# Allegro board 6UL_WIFI_V10A.brd (continued)
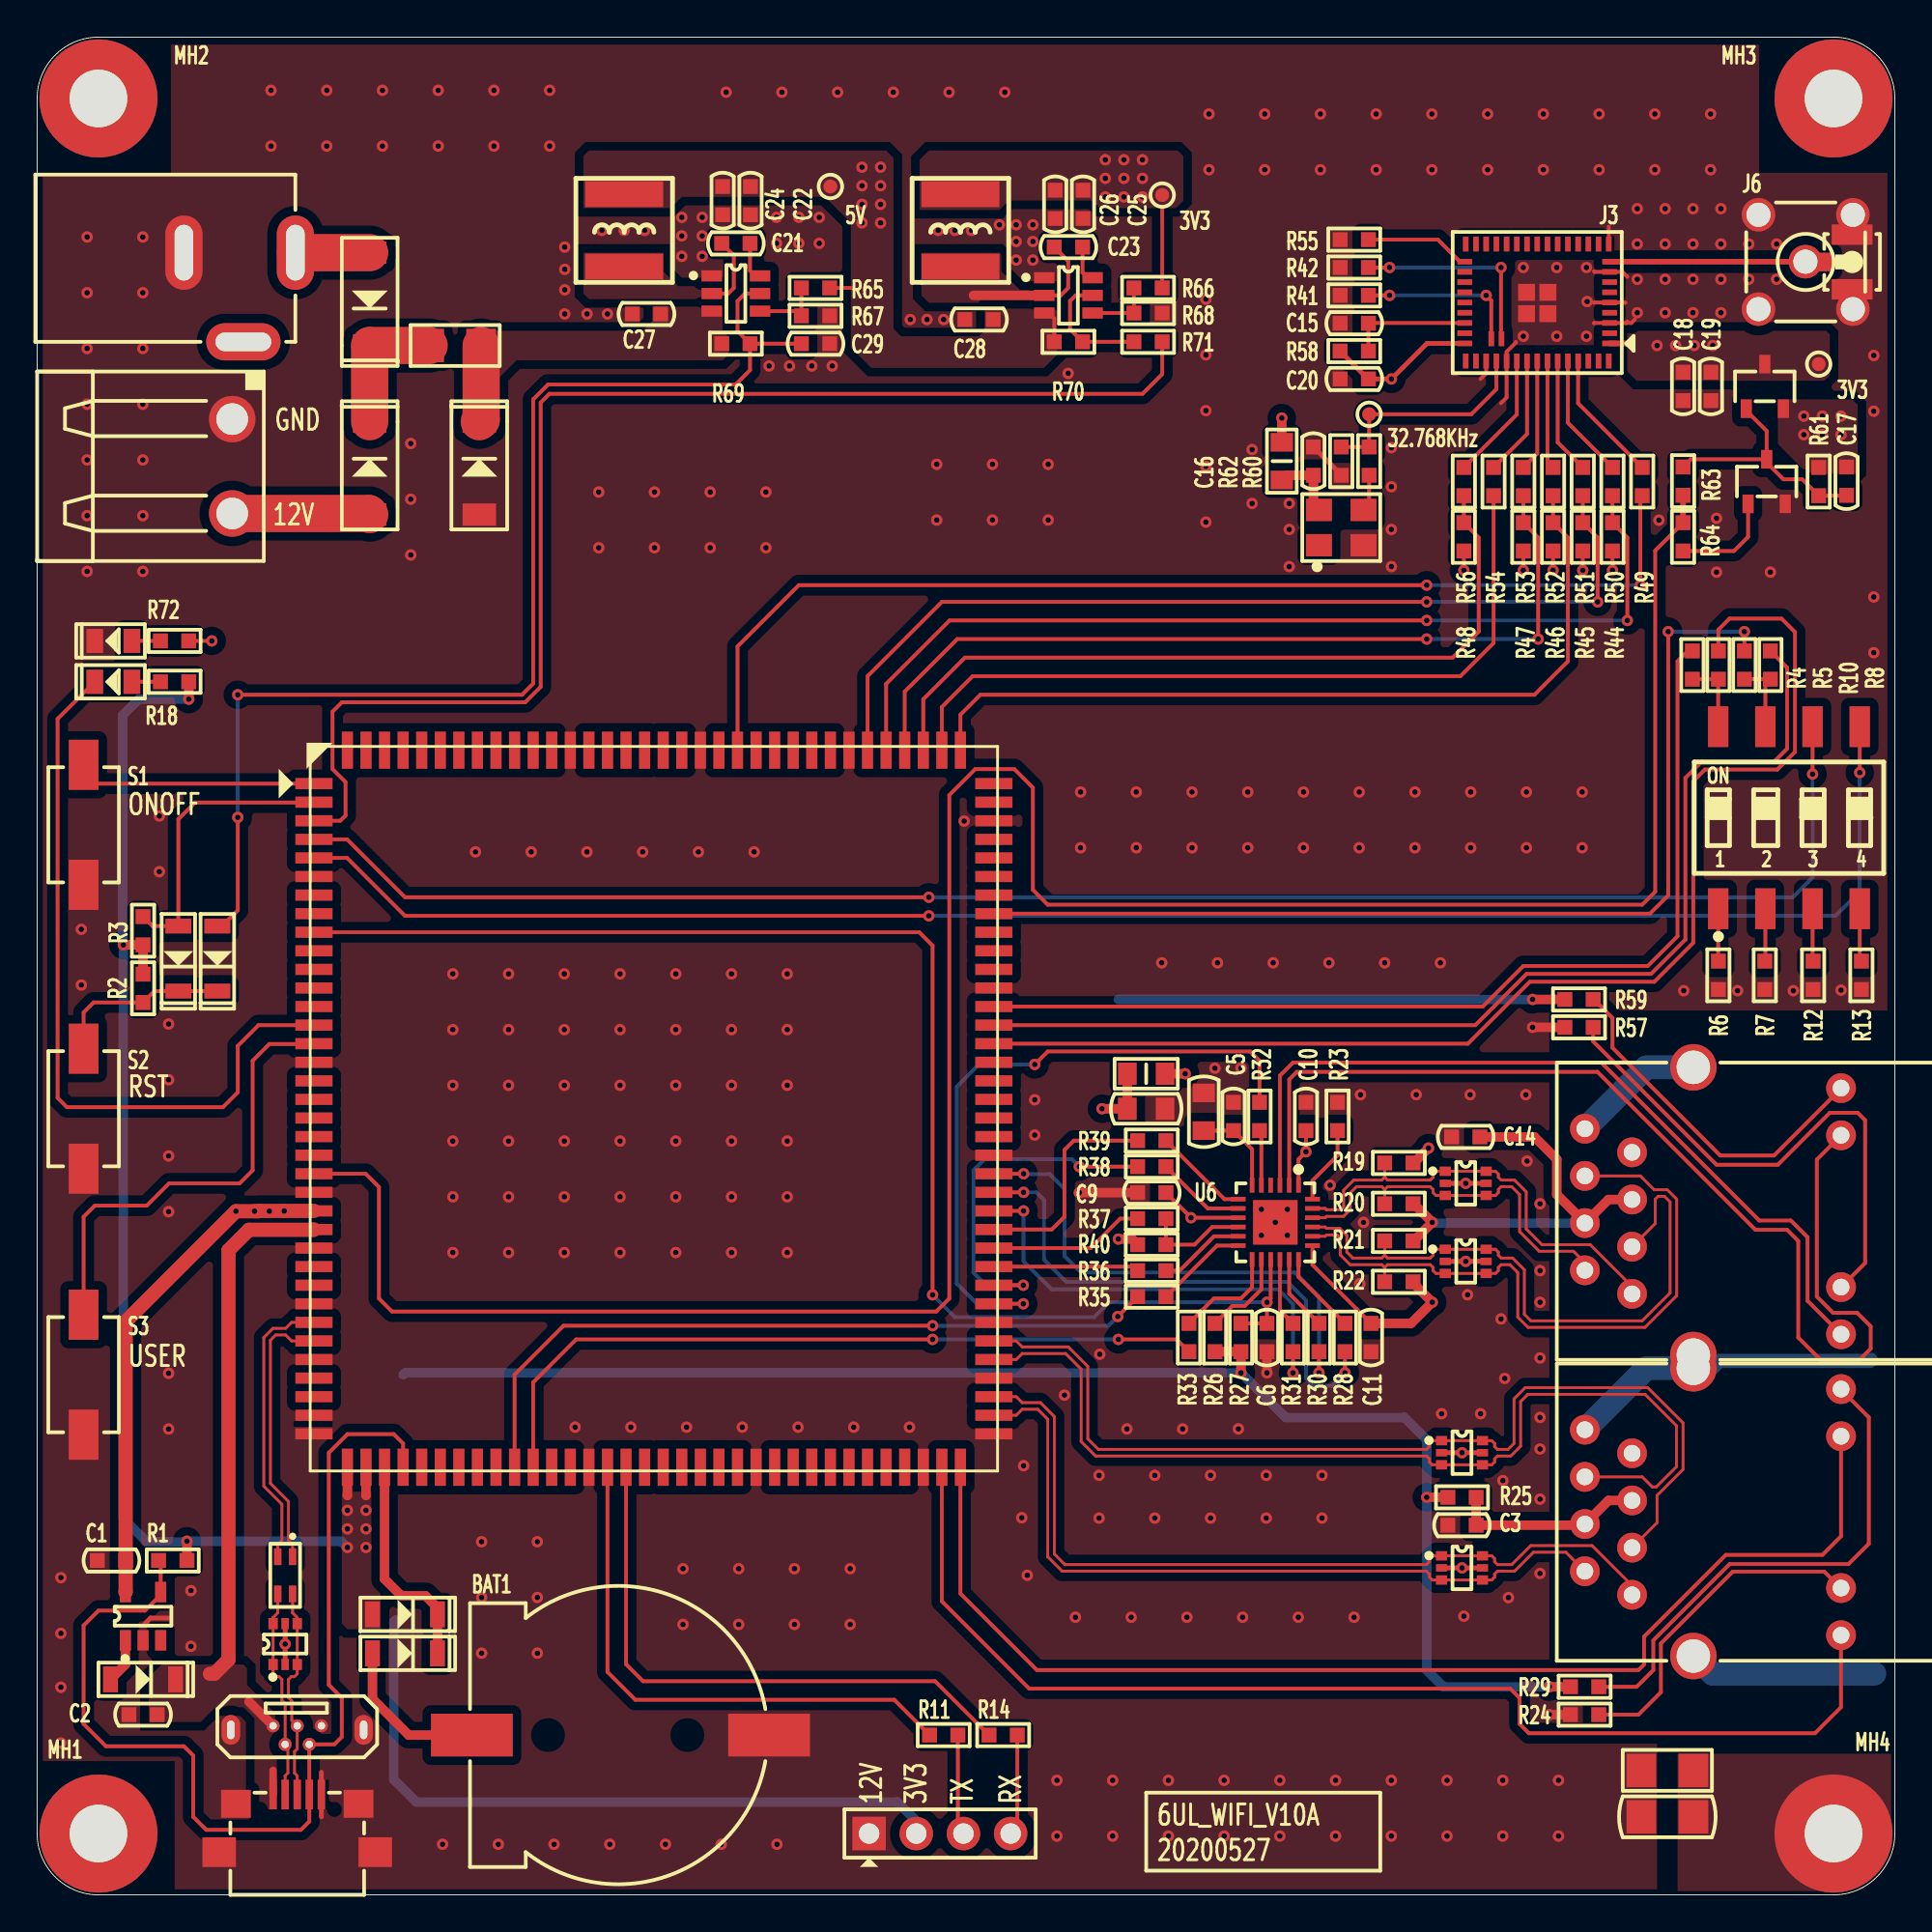
[diagram p0: board, top side]
## Nets (continued)
N17516727: J3.39 R56.2
N17516807: J3.25(WL_SDIO_SPI_SEL) R55.1
N17516907: C16.2 L3.2(B) Y1.4(VCC)
N17516991: R60.2 Y1.3
N17517014: C17.2 Q1.1 Q2.3 R61.2 R63.2
N17517096: Q2.1 R64.2
N17520513: D11.2(ANODE_2) D13.2(ANODE_2) F1.1
N17520537: D13.1 DC1.1
N17520987: D14.1 R72.2
N17521832: R23.1 U6.24
N17521923: R26.1 U6.14
N17521944: R28.1 U6.18
N17521964: R30.1 U6.17
N17521984: R31.1 U6.16
N17522014: R32.2 U6.5
N17522031: C4.2 C5.2 U6.6
N17522039: R33.1 U6.13
N17522082: R39.1 U6.7
N17522084: R38.1 U6.8
N17522088: R37.1 R40.2 U6.10
N17522090: R36.1 U6.11
N17522092: R35.1 U6.12
N17522763: J4.10 R57.2
N17522882: J4.12 R59.2

Pads without a net: DC1 3; J2 7; J3 4 6 7 11 12 13 14 15 16 17 18 19 20 21 22 23 24 26 27 28 29 30 32 34 35 46 47 48; J4 7; MH1 1; MH2 1; MH3 1; U1 7 8 10 11 12 13 17 18 19 20 21 27 28 33 34 41 42 43 44 45 48 49 53 54 55 56 57 58 60 61 62 63 64 65 66 67 87 88 89 90 91 96 97 98 100 101 102 103 105 106 114 115 116 117 118 120 122 123 124 125 126 127 129 130 131 132 133 134 135 136 137 138 139 140; U2 3; U6 4; Y1 1

## Via types
v1: diameter 0.61, hole 0.305, TOP to BOTTOM, 462 vias

## Routing (per net, layer and track width the routed paths; a pad name or vN(x,y) marks a point on that pad's centre or on a via; arc(x,y) is an arc through that point)
GND: length 35.8
  TOP w0.203: 79.6,83.6 79.6,83.56 79.1,83.06 J3.38 79.1,80.6 78.8,80.3 ; J3.10 84.6,89.8 ; 85.5,85.7 85.49,85.71 J3.5 83.81,85.71 83.8,85.7 ; 85.51,84.61 J3.3 83.81,84.61 83.8,84.6 ; 85.51,84.61 85.81,84.61 86,84.8 ; 85.51,84.61 85.6,84.7 ; 85.6,87.1 85.34,87.36 J3.8 83.84,87.36 83.8,87.4 ; J3.36 78,81.9 77.7,81.6
  TOP w0.254: U4.2 v1(76.7,17.6) U4.5 ; U7.2 v1(76.9,38.3) U7.5 ; 7.1,14.9 6.1,14.9 5.8,14.6 ; U8.5 v1(76.9,34.1) U8.2 ; U5.2 v1(76.7,23.8) U5.5 ; R62.2 70.2,76.44 C16.1 ; U3.5 v1(13.35,13.5) U3.2 ; 15.3,4.2 USB2.5 15.3,6.6
  TOP w0.508: C9.1 v1(56.1,37.8) ; C6.1 v1(66.2,28.1) ; R57.1 v1(80.5,46.7) ; R24.1 v1(81.4,9.7)
  vias: v1(1.28,17.08) v1(1.28,14.08) v1(1.28,11.18) v1(1.28,8.18) v1(2.38,51.98) v1(2.38,48.98) v1(2.69,89.24) v1(2.69,86.24) v1(2.69,83.24) v1(2.69,80.24) v1(2.69,77.24) v1(2.69,74.24) v1(2.69,71.24) v1(5.69,89.24) v1(5.69,86.24) v1(5.69,83.24) v1(5.69,80.24) v1(5.69,77.24) v1(5.69,74.24) v1(5.69,71.24) v1(6.58,58.08) v1(6.58,55.08) v1(7.08,46.88) v1(7.08,43.88) v1(7.08,39.78) v1(7.08,36.78) v1(7.08,28.08) v1(7.08,25.08) v1(8.28,16.38) v1(8.28,13.38) v1(12.59,97.14) v1(12.59,94.14) v1(15.59,97.14) v1(15.59,94.14) v1(18.59,97.14) v1(18.59,94.14) v1(20.11,78.13) v1(20.11,75.13) v1(20.11,72.13) v1(21.59,97.14) v1(21.59,94.14) v1(21.82,2.72) v1(22.38,49.58) v1(22.38,46.58) v1(22.38,43.58) v1(22.38,40.58) v1(22.38,37.58) v1(22.38,34.58) v1(23.59,56.14) v1(23.93,19.01) v1(23.93,16.01) v1(23.93,13.01) v1(24.59,97.14) v1(24.59,94.14) v1(24.82,2.72) v1(25.38,49.58) v1(25.38,46.58) v1(25.38,43.58) v1(25.38,40.58) v1(25.38,37.58) v1(25.38,34.58) v1(26.59,56.14) v1(26.93,19.01) v1(26.93,16.01) v1(26.93,13.01) v1(27.59,97.14) v1(27.59,94.14) v1(27.82,2.72) v1(28.4,88.7) v1(28.4,87.5) v1(28.4,86.4) v1(28.4,85.1) v1(28.38,49.58) v1(28.38,46.58) v1(28.38,43.58) v1(28.38,40.58) v1(28.38,37.58) v1(28.38,34.58) v1(28.96,25.17) v1(29.6,85.1) v1(29.59,56.14) v1(30.23,75.51) v1(30.23,72.51) v1(30.4,89.6) v1(30.7,85.1) v1(30.82,2.72) v1(31.38,49.58) v1(31.38,46.58) v1(31.38,43.58) v1(31.38,40.58) v1(31.38,37.58) v1(31.38,34.58) v1(31.6,89.6) v1(31.96,25.17) v1(32.59,56.14) v1(32.7,89.6) v1(33.23,75.51) v1(33.23,72.51) v1(33.82,2.72) v1(34.38,49.58) v1(34.38,46.58) v1(34.38,43.58) v1(34.38,40.58) v1(34.38,37.58) v1(34.38,34.58) v1(34.7,90.3) v1(34.7,89.3) v1(34.7,88.2) v1(34.76,17.56) v1(34.76,14.56) v1(34.96,25.17) v1(35.59,56.14) v1(35.8,90.3) v1(35.8,89.3) v1(35.8,88.2) v1(36.23,75.51) v1(36.23,72.51) v1(36.82,2.72) v1(37.09,97.04) v1(37.38,49.58) v1(37.38,46.58) v1(37.38,43.58) v1(37.38,40.58) v1(37.38,37.58) v1(37.38,34.58) v1(37.76,17.56) v1(37.76,14.56) v1(37.96,25.17) v1(38.59,56.14) v1(39.23,75.51) v1(39.23,72.51) v1(39.4,82.3) v1(39.8,90.3) v1(39.8,88.9) v1(39.82,2.72) v1(40.09,97.04) v1(40.38,49.58) v1(40.38,46.58) v1(40.38,43.58) v1(40.38,40.58) v1(40.38,37.58) v1(40.38,34.58) v1(40.5,82.3) v1(40.76,17.56) v1(40.76,14.56) v1(41,90.3) v1(41,88.9) v1(40.96,25.17) v1(41.7,82.3) v1(42.1,90.3) v1(42.1,88.9) v1(42.8,82.3) v1(43.09,97.04) v1(43.76,17.56) v1(43.76,14.56) v1(43.96,25.17) v1(46.09,97.04) v1(47,84.8) v1(46.96,25.17) v1(47.9,84.8) v1(48.42,77.01) v1(48.42,74.01) v1(48.5,89.6) v1(48.8,84.8) v1(49.09,97.04) v1(49.4,89.6) v1(49.9,57.8) v1(50.3,89.6) v1(51.42,77.01) v1(51.42,74.01) v1(51.8,89.9) v1(52.09,97.04) v1(52.7,89.9) v1(52.7,89) v1(52.7,88) v1(53,20.3) v1(53.1,23.1) v1(53.3,17.2) v1(53.6,89.9) v1(53.6,89) v1(53.6,88) v1(53.7,42.8) v1(53.7,40.9) v1(54.42,77.01) v1(54.42,74.01) v1(54.89,6.16) v1(54.89,3.16) v1(55.3,26.9) v1(55.5,81.9) v1(55.89,14.94) v1(56.17,59.37) v1(56.17,56.37) v1(57.2,29.1) v1(57.16,22.58) v1(57.16,20.28) v1(57.89,6.16) v1(57.89,3.16) v1(58.66,25.08) v1(58.89,14.94) v1(59.17,59.37) v1(59.17,56.37) v1(60.16,22.58) v1(60.16,20.28) v1(60.54,50.17) v1(60.89,6.16) v1(60.89,3.16) v1(61.66,25.08) v1(61.89,14.94) v1(62.17,59.37) v1(62.17,56.37) v1(62.91,85.9) v1(62.91,82.9) v1(62.91,79.9) v1(62.91,76.9) v1(62.91,73.9) v1(63.08,95.86) v1(63.08,92.86) v1(63.16,22.58) v1(63.16,20.28) v1(63.4,44.5) v1(63.54,50.17) v1(63.89,6.16) v1(63.89,3.16) v1(64.66,25.08) v1(64.8,44.5) v1(64.89,14.94) v1(65.17,59.37) v1(65.17,56.37) v1(65.4,77.8) v1(65.4,74.9) v1(65.9,36.9) v1(65.9,35.5) v1(66.08,95.86) v1(66.08,92.86) v1(66.16,22.58) v1(66.16,20.28) v1(66.54,50.17) v1(66.65,36.2) v1(66.89,6.16) v1(66.89,3.16) v1(67.3,36.9) v1(67.3,35.5) v1(67.4,74.9) v1(67.4,73.5) v1(67.4,71.5) v1(67.89,14.94) v1(68.17,59.37) v1(68.17,56.37) v1(69.08,95.86) v1(69.08,92.86) v1(69.16,22.58) v1(69.16,20.28) v1(69.54,50.17) v1(69.6,38.2) v1(69.89,6.16) v1(69.89,3.16) v1(70.89,14.94) v1(71.17,59.37) v1(71.17,56.37) v1(71.24,43.07) v1(71.2,32.9) v1(71.4,36.2) v1(72.08,95.86) v1(72.08,92.86) v1(72.54,50.17) v1(72.9,77.9) v1(72.9,75.8) v1(72.9,73.5) v1(72.9,71.5) v1(72.89,6.16) v1(72.89,3.16) v1(74.17,59.37) v1(74.17,56.37) v1(74.24,43.07) v1(75.08,95.86) v1(75.08,92.86) v1(75.54,50.17) v1(75.6,25.9) v1(75.89,6.16) v1(75.89,3.16) v1(76.8,15) v1(77,32.3) v1(77.14,43.07) v1(77.17,59.37) v1(77.17,56.37) v1(77.7,25.9) v1(78.08,95.86) v1(78.08,92.86) v1(78.8,31) v1(78.9,22.3) v1(78.89,6.16) v1(78.89,3.16) v1(79,27.8) v1(79.2,16) v1(80,87.6) v1(80,83.9) v1(80.14,43.07) v1(80.17,59.37) v1(80.17,56.37) v1(80.2,39.5) v1(80.9,37.2) v1(80.9,33.6) v1(80.9,31.9) v1(80.9,28.9) v1(80.9,25.7) v1(80.9,24) v1(80.9,21.3) v1(80.9,17.3) v1(81.08,95.86) v1(81.08,92.86) v1(81.8,87.6) v1(81.8,83.9) v1(81.89,6.16) v1(81.89,3.16) v1(83.17,59.37) v1(83.17,56.37) v1(83.4,87.6) v1(83.43,85.77) v1(83.4,83.9) v1(84.08,95.86) v1(84.08,92.86) v1(86.13,90.77) v1(86.13,88.87) v1(86.13,86.97) v1(86.13,85.17) v1(87.08,95.86) v1(87.08,92.86) v1(87.3,74) v1(87.63,90.77) v1(87.63,88.87) v1(87.63,86.97) v1(87.63,85.17) v1(88.64,48.67) v1(89.13,90.77) v1(89.13,88.87) v1(89.13,86.97) v1(89.13,85.17) v1(90.08,95.86) v1(90.08,92.86) v1(90.4,74.1) v1(90.4,71.2) v1(90.63,90.77) v1(90.63,88.87) v1(90.63,86.97) v1(90.63,85.17) v1(91.54,48.67) v1(92.13,88.87) v1(92.13,86.97) v1(93.3,71.2) v1(93.63,88.87) v1(93.63,86.97) v1(94.54,48.67) v1(97.1,48.7) v1(98.87,82.87) v1(98.87,79.87) v1(98.87,69.87) v1(98.87,66.87)
GND_EARTH: length 35
  BOTTOM w0.762: 89.15,28.34 90.14,28.34 90.54,28.74 98.64,28.74 98.7,28.8
  BOTTOM w1.27: J2.8 86.62,28.34 89.15,28.34 89.15,29.05 ; J4.14 86.62,44.55 J4.8 ; 98.9,11.9 90.2,11.9 89.25,12.86 J2.13
VCC_3.3V: length 224
  TOP w0.203: C9.2 v1(62.11,36.45) U6.9 ; R66.1 60.56,90.86
  TOP w0.508: U1.37 16.7,21.5 ; R29.1 v1(81.4,11.2) ; U1.38 17.7,21.5 ; R2.2 R3.2 v1(4.64,51.14) ; L2.1 C8.2 v1(57.32,42.32) ; R40.1 58.94,35.3 v1(58.2,35.3) ; R25.1 v1(74.8,21.4) ; R1.1 v1(8.06,19.04) ; R59.1 v1(80.5,48.2) ; v1(64.8,28.1) R27.2 R26.2 ; R18.1 v1(8.16,64.36)
  BOTTOM w0.508: v1(81.4,11.2) 75.7,11.2 74.8,12.1 v1(74.8,21.4) 74.8,24.5 73.6,25.7 67.2,25.7 v1(64.8,28.1) 19.8,28.1 19.7,28 ; 19.3,14.8 19.2,14.7 19.2,6.2 20.4,5 46.3,5 47.32,3.98 J1.2 ; 58.2,48.2 v1(80.5,48.2) ; v1(8.16,64.36) 5.46,64.36 4.6,63.5 4.6,51.18 v1(4.64,51.14) 4.64,20.26 5.9,19 8.02,19 v1(8.06,19.04) 16.36,19.04 v1(16.7,18.7)
  vias: v1(16.7,20.7) v1(16.7,19.7) v1(17.7,20.7) v1(17.7,19.7) v1(17.7,18.7) v1(57.5,93.4) v1(57.5,92.4) v1(57.5,91.4) v1(58.5,93.4) v1(58.5,92.4) v1(58.5,91.4) v1(59.5,93.4) v1(59.5,92.4) v1(59.5,91.4) v1(95.1,79.6) v1(95.1,78.6) v1(96.1,79.6) v1(96.1,78.6) v1(97.1,79.6) v1(97.1,78.6)
VCC_3.3V_PHY2: length 39.1
  TOP w0.203: U6.19 68.65,33.91 C11.2 ; C10.2 v1(68.3,40) 67.9,39.6 U6.1
  TOP w0.508: R20.2 74.1,37.2 v1(75.1,36.2) 74.1,35.2 R21.2 ; R22.2 74.06,32.94 v1(75.1,31.9) 73.96,30.76 C11.2 ; L2.2 v1(61.8,44.2) ; v1(74.9,40.2) 74.1,39.4 R19.2 ; J4.5 84.58,37.43 J4.4 83.31,36.19 81.8,37.7 81.8,39.6 80.6,40.8 C14.1
  BOTTOM w0.508: J4.4 75.14,36.16 v1(75.1,36.2)
VCC_3.3V_WIFI: length 15.8
  TOP w0.203: R46.1 v1(81.6,71.3) ; R48.1 v1(76.8,71.3) ; R44.1 v1(84.8,71.3) ; R47.1 v1(80,71.3) ; R45.1 v1(83.2,71.3)
  TOP w0.254: R58.1 71.64,81.6 C20.1 v1(72.9,81.6) 74.81,83.51 J3.33
  TOP w0.3: 85.8,83.5 85.79,83.51 J3.1
  TOP w0.508: L3.1 v1(67,79.5)
  vias: v1(87.2,83.4) v1(88.2,83.4) v1(89.2,83.4) v1(90.2,83.4)
VCC_5V: length 31.6
  TOP w0.203: R72.1 v1(9.4,67.5) ; R65.1 43.9,86.5 ; U10.3 54.45,85.15 54.75,84.85 R70.1
  TOP w0.762: U1.24 v1(13.3,36.82) 11.93,36.82 11.91,36.8 v1(11.7,36.8) v1(10.7,36.8) 4.76,30.86 C1.1 4.76,16.31 U2.5
  vias: v1(12.5,36.8) v1(44.4,93) v1(44.4,92) v1(44.4,91) v1(44.4,90) v1(45.4,93) v1(45.4,92) v1(45.4,91) v1(45.4,90)
VCC_12V: length 4.1
  TOP w2: F1.2 23.9,79.4 D12.2
VCC_BAT: length 12
  TOP w0.508: U1.39 18.7,17 19.6,16.1 20.9,16.1 21.55,15.45 D2.2 D3.2
32.7K_CLK: length 12.2
  TOP w0.203: R62.1 R60.1 TP4.1 77.2,79.7 78.55,81.05 J3.37
BOOT_MODE0: length 90.5
  TOP w0.203: v1(48,53.7) 19.8,53.7 16.68,56.82 U1.4 ; SW1.6 v1(95.57,60.33)
  BOTTOM w0.203: v1(95.57,60.33) 95.57,54.77 94.5,53.7 v1(48,53.7)
BOOT_MODE1: length 93.9
  TOP w0.203: U1.5 16.68,55.82 19.8,52.7 v1(48,52.7) ; SW1.5 v1(98.11,60.41)
  BOTTOM w0.203: v1(48,52.7) 96.8,52.7 98.11,54.01 v1(98.11,60.41)
DN: length 11.4
  TOP w0.152: L1.3 12.95,15.18 12.7,14.93 U3.6 U3.1 12.7,11.9 12.85,11.74 13.02,11.74 13.17,11.59 13.17,10.47 13.35,10.29 USB1.2 13.5,7.95 13.5,6.56 13.35,6.41 USB2.2
DP: length 11.5
  TOP w0.152: L1.4 13.75,15.18 14,14.93 U3.4 U3.3 14,11.9 13.85,11.74 13.68,11.74 13.53,11.59 13.53,10.62 13.71,10.44 13.71,9.39 USB1.3 14,7.86 13.85,7.71 13.85,6.56 14,6.41 USB2.3
ENET2_CRS_DV: length 7.8
  TOP w0.203: U1.80 59.02,33.82 R36.2
ENET2_RXD0: length 19.3
  TOP w0.203: R38.2 v1(56.1,39.2) ; U1.79 v1(53.08,32.82)
  BOTTOM w0.203: v1(53.08,32.82) 51.08,32.82 50.4,33.5 50.4,39 51,39.6 55.7,39.6 v1(56.1,39.2)
ENET2_RXD1: length 11.8
  TOP w0.203: R39.2 55.8,40.6 55.3,40.1 55.3,36.5 54.62,35.82 U1.82
ENET2_RXER: length 8.4
  TOP w0.203: R37.2 58.3,36.4 56.72,34.82 U1.81
ENET2_TX_CLK: length 35.7
  TOP w0.203: R32.1 65.8,44.9 65.3,45.4 54.4,45.4 v1(53.7,44.7) ; U1.78 v1(53.08,31.82)
  BOTTOM w0.203: v1(53.7,44.7) 50.7,44.7 49.5,43.5 49.5,32.9 50.58,31.82 v1(53.08,31.82)
ENET2_TXD0: length 27.6
  TOP w0.203: U1.85 v1(53.1,38.82) ; R30.2 v1(69,28.1)
  BOTTOM w0.203: v1(69,28.1) 69,32.2 67.7,33.5 56.2,33.5 55.3,34.4 55.3,38 54.5,38.8 53.12,38.8 v1(53.1,38.82)
ENET2_TXD1: length 29
  TOP w0.203: R28.2 v1(70.4,28.1) ; U1.84 v1(53.1,37.82)
  BOTTOM w0.203: v1(53.1,37.82) 53.78,37.82 54.2,37.4 54.2,34.2 55.4,33 67.3,33 68.3,32 68.3,27.8 68.7,27.4 69.7,27.4 v1(70.4,28.1)
ENET2_TXEN: length 24.6
  TOP w0.203: U1.83 v1(53.1,36.82) ; R31.2 v1(67.6,28.1)
  BOTTOM w0.203: v1(53.1,36.82) 53.1,34.1 54.61,32.59 66.81,32.59 67.6,31.8 v1(67.6,28.1)
ENET_MDC: length 41.1
  TOP w0.203: R33.2 61.34,29.9 v1(58.2,29.9) ; U1.47 26.7,27.59 29.01,29.9 v1(48.2,29.9)
  BOTTOM w0.203: v1(48.2,29.9) v1(58.2,29.9)
ENET_MDIO: length 40.3
  TOP w0.203: U1.46 25.7,28 28.34,30.64 v1(48.2,30.64) ; v1(58.17,31.13) R35.2
  BOTTOM w0.203: v1(58.17,31.13) 57.67,30.64 v1(48.2,30.64)
ENET_RST: length 76.1
  TOP w0.203: U6.15 66.4,32.1 v1(66.2,31.9) C6.2 R27.1 ; v1(48.2,32.3) 48.2,51.1 47.48,51.82 U1.9
  BOTTOM w0.203: v1(48.2,32.3) 49.4,31.1 56.9,31.1 57.7,31.9 v1(66.2,31.9)
ETH1_LED1: length 63.8
  TOP w0.203: J2.9 97.1,13.97 97.1,10.1 95.7,8.7 80.3,8.7 79.8,9.2 79.8,10.6 79.3,11.1 53.4,11.1 48.7,15.8 U1.69
ETH1_LED2: length 65.2
  TOP w0.203: U1.70 49.7,16.21 53.81,12.1 86.2,12.1 86.5,12.4 86.5,13.9 90.9,18.3 96.1,18.3 97.1,19.3 97.1,24.68
ETH1_RXN: length 53.3
  TOP w0.152: U1.75 52.7,28.82 53.03,29.14 55.36,29.14 56.2,28.3 56.2,24.4 56.98,23.62 74.79,23.62 74.94,23.47 74.94,23.3 75.1,23.15 U5.3 U5.4 78.3,23.15 78.46,23.3 78.46,23.47 78.61,23.62 79.33,23.62 79.86,24.15 79.86,26.55 80.25,26.94 86.55,26.94 88.24,25.25 88.24,23.05 87.16,21.96 86.94,21.96 86.4,22.5 J2.6
ETH1_RXP: length 53.8
  TOP w0.152: U1.76 52.7,29.82 53.03,29.49 55.51,29.49 56.56,28.45 56.56,24.55 57.13,23.98 74.79,23.98 74.94,24.13 74.94,24.3 75.1,24.45 U5.1 U5.6 78.3,24.45 78.46,24.3 78.46,24.13 78.61,23.98 79.18,23.98 79.5,24.3 79.5,26.7 80.1,27.3 86.7,27.3 88.6,25.4 88.6,22.9 87.2,21.5 87.2,20.04 J2.3
ETH1_TXN: length 41.3
  TOP w0.152: U1.72 52.7,25.82 53.03,26.14 53.86,26.14 54.4,25.6 54.4,18.2 55.18,17.42 74.79,17.42 74.94,17.27 74.94,17.1 75.1,16.95 U4.3 U4.4 78.3,16.95 78.46,17.1 78.46,17.27 78.61,17.42 79.53,17.42 80.55,18.44 82.29,18.44 J2.2
ETH1_TXP: length 44.8
  TOP w0.152: J2.1 85.85,16.65 83.7,18.8 80.4,18.8 79.38,17.78 78.61,17.78 78.46,17.93 78.46,18.1 78.3,18.25 U4.6 U4.1 75.1,18.25 74.94,18.1 74.94,17.93 74.79,17.78 55.33,17.78 54.76,18.35 54.76,25.75 54.01,26.49 53.03,26.49 52.7,26.82 U1.73
ETH2_LED1: length 44.5
  TOP w0.203: U6.3 66.9,44.1 67.6,44.8 84.2,44.8 92.7,36.3 94.4,36.3 95.3,35.4 95.3,31.98 97.1,30.18
ETH2_LED2: length 60.9
  TOP w0.203: J4.11 95.8,39.58 95.8,32.21 96.68,31.33 97.97,31.33 98.7,30.6 98.7,29.4 98.1,28.8 96,28.8 94.8,30 94.8,35.2 94.2,35.8 92.49,35.8 83.99,44.3 67.81,44.3 67.4,43.89 U6.2
ETH2_RXN: length 36.5
  TOP w0.152: U6.20 69.33,35.45 69.41,35.52 69.97,35.52 70.14,35.35 70.14,34.45 70.67,33.92 72.39,33.92 72.54,33.77 ; 72.54,33.77 72.69,33.92 74.99,33.92 75.14,33.77 75.14,33.6 75.3,33.45 U8.3 U8.4 78.5,33.45 78.66,33.6 78.66,33.77 78.81,33.92 79.28,33.92 79.7,33.5 79.7,31.1 80.26,30.54 86.55,30.54 88.26,32.25 88.26,37.45 87.75,37.96 87.04,37.96 86.3,38.7 J4.6 ; 72.54,33.77 R22.1
ETH2_RXP: length 34.3
  TOP w0.152: 72.54,34.43 72.69,34.28 74.99,34.28 75.14,34.43 75.14,34.6 75.3,34.75 U8.1 U8.6 78.5,34.75 78.66,34.6 78.66,34.43 78.81,34.28 79.43,34.28 80.06,33.65 80.06,31.25 80.4,30.9 86.4,30.9 87.9,32.4 87.9,37.3 87.6,37.6 87.25,37.6 87.1,37.45 87.1,36.14 J4.3 ; 72.54,34.43 R21.1 ; 72.54,34.43 72.39,34.28 70.82,34.28 70.5,34.6 70.5,35.5 70.12,35.88 69.41,35.88 69.33,35.95 U6.21
ETH2_TXN: length 20.6
  TOP w0.152: 72.54,37.97 72.69,38.12 74.99,38.12 75.14,37.97 75.14,37.8 75.3,37.65 U7.3 U7.4 78.5,37.65 78.66,37.8 78.66,37.97 78.81,38.12 79.37,38.12 79.8,37.7 79.8,35.7 80.86,34.64 82.7,34.64 83.31,34.03 J4.2 ; 72.54,37.97 R20.1 ; 72.54,37.97 72.39,38.12 71.02,38.12 70.68,37.78 70.68,36.88 70.32,36.52 69.41,36.52 69.33,36.45 U6.22
ETH2_TXP: length 23.8
  TOP w0.152: J4.1 85.85,32.75 83.6,35 81,35 80.16,35.85 80.16,37.84 79.52,38.48 78.81,38.48 78.66,38.63 78.66,38.8 78.5,38.95 U7.6 U7.1 75.3,38.95 75.14,38.8 75.14,38.63 74.99,38.48 72.69,38.48 72.54,38.63 ; 72.54,38.63 R19.1 ; 72.54,38.63 72.39,38.48 70.87,38.48 70.33,37.93 70.33,37.03 70.17,36.88 69.41,36.88 69.33,36.95 U6.23
LCD_DATA5: length 67
  TOP w0.203: R5.1 90.5,68.1 91.1,68.7 93.9,68.7 94.62,67.98 94.62,61.52 93.68,60.58 89.78,60.58 89.15,59.95 89.15,51.25 87.05,49.15 80.35,49.15 77.02,45.82 U1.92
LCD_DATA6: length 59.6
  TOP w0.203: U1.93 77.42,46.82 78.12,47.52 80.18,49.58 86.88,49.58 88.72,51.42 88.72,60.12 89.6,61 93.5,61 94.2,61.7 94.2,66.06 R8.1
LCD_DATA7: length 54.2
  TOP w0.203: U1.94 77.82,47.82 80,50 86.7,50 88.3,51.6 88.3,66.4 88.8,66.9 88.91,66.9 88.97,66.96 R4.1
LCD_DATA11: length 56
  TOP w0.203: v1(91.9,68) R10.1 ; v1(87.8,68) 87.8,53.8 86.82,52.82 U1.99
  BOTTOM w0.203: v1(87.8,68) v1(91.9,68)
ONOFF: length 13
  TOP w0.203: S1.2 2.5,60.5 3.18,59.82 U1.1
PMIC_ON_REQ: length 70.6
  TOP w0.203: R71.1 60.56,81.86 59.5,80.8 27.57,80.8 27.11,80.33 27.11,65.03 26.27,64.19 16.4,64.19 15.9,63.69 15.9,60.6 16.6,59.9 16.6,58.1 16.32,57.82 U1.3
POR_B: length 15.5
  TOP w0.203: R3.1 6.21,52.15 D4.1 7.6,57.9 8.5,58.8 14.88,58.8 U1.2
POWER_EN: length 65
  TOP w0.203: R69.2 38.37,82.07 37.6,81.3 27.5,81.3 26.7,80.5 26.7,65.2 26.1,64.6 v1(10.8,64.6) ; R69.2 C29.1 ; R69.2 37.7,84.17 37.7,85.8 38.1,86.2 U9.5 ; D6.1 9.95,52.15 10.8,53 v1(10.8,58)
  BOTTOM w0.203: v1(10.8,58) v1(10.8,64.6)
SD2_CLK: length 41.4
  TOP w0.203: R54.1 78.4,67.39 76.61,65.6 50.36,65.6 48.7,63.94 U1.108
SD2_D0: length 41.8
  TOP w0.203: U1.109 47.7,64.36 49.94,66.6 76.2,66.6 77.6,68 77.6,73.06 R48.2 R56.1
SD2_D1: length 46.5
  TOP w0.203: U1.110 46.7,64.77 49.53,67.6 v1(74.8,67.6) ; R53.1 R47.2 80.8,73.06 v1(80.8,67.6)
  BOTTOM w0.203: v1(74.8,67.6) v1(80.8,67.6)
SD2_D2: length 51.9
  TOP w0.203: v1(74.8,68.6) 49.11,68.6 45.7,65.19 U1.111 ; R50.1 R44.2 85.6,73.06 v1(85.6,68.6)
  BOTTOM w0.203: v1(85.6,68.6) v1(74.8,68.6)
SD2_D3: length 51
  TOP w0.203: R51.1 R45.2 84,73.06 v1(84,69.6) ; U1.112 44.7,65.6 48.7,69.6 v1(74.8,69.6)
  BOTTOM w0.203: v1(84,69.6) v1(74.8,69.6)
SD_CMD: length 45.1
  TOP w0.203: U1.107 49.7,63.53 50.77,64.6 80.6,64.6 82.4,66.4 82.4,73.05 82.4,73.06 R46.2 R52.1
SNVS_TAMPER0: length 25
  TOP w0.203: S3.2 2.5,36.5 3.1,37.1 5.9,37.1 7.1,38.3 10.9,38.3 11.6,39 11.6,44.9 12.5,45.8 14.88,45.8 U1.15
SNVS_TAMPER1: length 40.5
  TOP w0.203: D10.2 1.1,63.3 1.1,42.9 1.6,42.4 10,42.4 10.8,43.2 10.8,45.7 11.92,46.82 U1.14
UART1_RXD: length 31.7
  TOP w0.203: U1.52 31.7,12.41 32.61,11.5 48.34,11.5 R14.2
UART1_TXD: length 29.8
  TOP w0.203: R11.2 46.14,10.5 32.2,10.5 30.7,12 U1.51
USB_OTG1_DN: length 15.3
  TOP w0.152: U1.30 13.7,30.82 13.37,30.49 12.69,30.49 12.2,30 12.2,22 13.17,21.03 13.17,19.08 12.95,18.85 L1.2
USB_OTG1_DP: length 14.7
  TOP w0.152: L1.1 13.75,18.85 13.53,19.08 13.53,21.18 12.56,22.15 12.56,29.85 12.84,30.14 13.37,30.14 13.7,29.82 U1.31
USB_OTG1_ID: length 56.2
  TOP w0.203: R1.2 6.65,17.89 U2.4 6.65,16.15 5.8,15.3 3.3,15.3 2.5,14.5 2.5,9.2 3.7,8 7.9,8 8.4,7.5 8.4,4.2 9.1,3.5 14.2,3.5 14.65,3.95 USB2.4 USB1.4 16,8.1 16.4,8.5 16.4,10.6 15.7,11.3 15.7,23.8 16.7,24.8 19.2,24.8 19.7,24.3 U1.40
USB_OTG1_VBUS: length 31.6
  TOP w0.4: USB2.1 12.7,6.7
  TOP w0.508: USB1.1 11.4,10.4
  TOP w0.762: U1.25 14.88,35.8 11.4,35.8 10.3,34.7 10.3,12.66 9.54,11.9 9.3,11.9
WIFI_ANT: length 11.6
  TOP w0.3: IPX1.1 96.18,87.91 J6.1 J3.9
WLAN_GPIO1: length 60.4
  TOP w0.203: v1(74.8,70.5) 41,70.5 37.7,67.2 U1.119 ; R49.1 86.3,75.22 v1(86.3,70.5)
  BOTTOM w0.203: v1(74.8,70.5) v1(86.3,70.5)
WLAN_PWR: length 135.3
  TOP w0.203: R64.1 87.1,72.36 87.1,54 86.4,53.3 54.4,53.3 53.6,54.1 53.6,59.6 52.6,60.6 50.5,60.6 49.1,59.2 49.1,32.1 48.4,31.4 19.1,31.4 18.4,32.1 18.4,38.1 17.68,38.82 U1.22
  TOP w0.3: R63.1 R64.1
WLAN_RESETB: length 6.7
  TOP w0.203: R58.2 C15.1 71.68,84.61 J3.31
N17448601: length 2.4
  TOP w0.508: U2.1 4.75,12.4 D1.1
N17450220: length 4
  TOP w0.203: R4.2 R5.2 90.49,65.43 SW1.8
N17450304: length 2.8
  TOP w0.203: SW1.1 90.49,50.27 R6.1
N17450314: length 4.1
  TOP w0.203: SW1.7 93.03,65.17 R8.2 R10.2
N17450341: length 2.8
  TOP w0.203: R7.1 93.03,50.29 SW1.2
N17450354: length 2.8
  TOP w0.203: SW1.3 95.57,50.29 R12.1
N17450369: length 2.9
  TOP w0.203: R13.1 98.11,50.35 SW1.4
N17451243: length 1.5
  TOP w0.203: D10.1 R18.2
N17453450: length 4
  TOP w0.203: C21.2 37.5,88.25 37.5,86.5 37.2,86.2 U9.2
N17453461: length 2.1
  TOP w0.203: C21.1 38.37,87.43 38.65,87.15 U9.6
N17453468: length 3.8
  TOP w0.203: R65.2 R67.1 40.89,85.25 U9.4
N17453479: length 7.8
  TOP w0.203: U10.2 55.1,86.1 55.5,86.5 55.5,87.95 C23.2
  TOP w0.508: U10.2 50.4,86.1
N17453490: length 2
  TOP w0.203: C23.1 56.27,87.33 56.55,87.05 U10.6
N17453495: length 6.6
  TOP w0.203: R71.2 R70.2 55.6,84.27 55.6,85.8 55.9,86.1 U10.5
N17453497: length 3.6
  TOP w0.203: R66.2 R68.1 U10.4
N17456258: length 10.4
  TOP w0.508: J2.5 84.58,21.23 J2.4 83.25,19.9 C3.1 R25.2
N17456348: length 18.1
  TOP w0.203: J2.10 97.08,16.52 96.2,17.4 91.27,17.4 87.41,13.53 87.41,10.91 86.2,9.7 R24.2
N17456497: length 27.6
  TOP w0.203: J2.12 97.1,27.2 98.6,25.7 98.6,18.9 97.51,17.81 91.11,17.81 87,13.7 87,12.1 86.1,11.2 R29.2
N17457264: length 7.4
  TOP w2: J5.2 17.84,74.36 D11.1
N17471802: length 9.6
  TOP w0.203: D6.2 D4.2 6.31,48.65 R2.1 3.04,48.04 2.5,47.5 S2.2
N17486660: length 5.4
  TOP w0.203: J1.3 49.56,3.6 R11.1
N17486680: length 5.4
  TOP w0.203: R14.1 52.76,3.66 J1.4
N17493570: length 8.6
  TOP w0.508: D3.1 18.05,10.55 20,8.6 BAT1.1
N17516458: length 8.8
  TOP w0.203: J3.54 78.27,85.83 v1(78,86.1) ; v1(72.8,86.1) R41.2
  BOTTOM w0.203: v1(78,86.1) v1(72.8,86.1)
N17516468: length 11
  TOP w0.203: J3.53 78.8,83.79 v1(78.8,87.6) ; R42.2 v1(72.8,87.6)
  BOTTOM w0.203: v1(72.8,87.6) v1(78.8,87.6)
N17516648: length 7.2
  TOP w0.203: R49.2 82.95,80.29 J3.45
N17516663: length 6.7
  TOP w0.203: R50.2 82.4,79.24 J3.44
N17516673: length 6.3
  TOP w0.203: R51.2 81.85,78.19 J3.43
N17516690: length 5.8
  TOP w0.203: J3.42 81.3,77.14 R52.2
N17516700: length 6
  TOP w0.203: R53.2 80.75,77.59 J3.41
N17516717: length 6.5
  TOP w0.203: R54.2 80.2,78.64 J3.40
N17516727: length 6.9
  TOP w0.203: J3.39 79.65,79.69 R56.2
N17516807: length 5.7
  TOP w0.203: J3.25 76.59,87.91 75.4,89.1 R55.1
N17516907: length 3.8
  TOP w0.508: Y1.4 68.7,74.85 C16.2 67.25,76.42 L3.2
N17516991: length 2
  TOP w0.203: Y1.3 71.7,74.85 R60.2
N17517014: length 13.1
  TOP w0.203: Q2.3 93.1,77.1 94,76.2 95.02,76.2 R61.2 97.38,75.32 C17.2 ; Q2.3 93.1,78.8 92,79.9 Q1.1 ; Q2.3 89.02,77.28 R63.2
N17517096: length 5.6
  TOP w0.203: R64.2 91.34,72.34 92.1,73.1 Q2.1
N17520513: length 7.3
  TOP w2: F1.1 D13.2 D11.2
N17520537: length 4
  TOP w2: DC1.1 D13.1
N17520987: length 1.5
  TOP w0.203: D14.1 R72.2
N17521832: length 4.2
  TOP w0.203: R23.1 70,39.8 68.65,38.45 U6.24
N17521923: length 4.9
  TOP w0.203: R26.1 64.34,31.7 65,31.7 65.9,32.6 U6.14
N17521944: length 4.5
  TOP w0.203: R28.1 67.9,33.26 U6.18
N17521964: length 4.1
  TOP w0.203: U6.17 67.4,32.36 R30.1
N17521984: length 3.7
  TOP w0.203: U6.16 66.9,31.46 R31.1
N17522014: length 3
  TOP w0.203: R32.2 65.9,41.04 U6.5
N17522031: length 5
  TOP w0.203: U6.6 65.4,40.14 C5.2 C4.2
N17522039: length 5.7
  TOP w0.203: U6.13 65.4,32.71 64.8,32.11 63.34,32.11 R33.1
N17522082: length 5.2
  TOP w0.203: R39.1 63.91,37.45 U6.7
N17522084: length 4.8
  TOP w0.203: R38.1 63.01,36.95 U6.8
N17522088: length 5.7
  TOP w0.203: U6.10 63.25,35.95 62.3,35 R40.2 R37.1
N17522090: length 4.7
  TOP w0.203: U6.11 63.35,35.45 61.5,33.6 R36.1
N17522092: length 5
  TOP w0.203: U6.12 63.51,34.95 R35.1
N17522763: length 29
  TOP w0.203: R57.2 83.76,45.94 90.4,39.3 93.7,39.3 96.5,42.1 98,42.1 98.4,41.7 98.4,34.01 97.1,32.72
N17522882: length 19.3
  TOP w0.203: R59.2 83.8,48.2 84.8,47.2 84.8,45.6 90.6,39.8 93.5,39.8 97.1,43.4 J4.12

## Copper pours and planes (outline as drawn; the poured copper is in the pictures)
GND on TOP: 0.3,92.7 7.2,92.7 7.2,99.6 92.7,99.6 92.7,92.7 99.6,92.7 99.6,47.6 81.4,47.6 81.4,10.5 87.2,10.5 87.2,0.3 7.4,0.3 7.4,7.2 0.3,7.2 ; 22 cut-outs
GND on BOTTOM: 0.3,92.7 7.2,92.7 7.2,99.6 92.7,99.6 92.7,92.7 99.6,92.7 99.6,47.6 81.4,47.6 81.4,10.5 87.2,10.5 87.2,0.3 7.4,0.3 7.4,7.2 0.3,7.2 ; 3 cut-outs
GND_EARTH on TOP: 88.3,7.6 99.8,7.6 99.8,2.8 97.2,0.2 88.3,0.2
GND_EARTH on BOTTOM: 88.7,46.7 99.8,46.7 99.8,2.8 97.2,0.2 93.9,0.2 93.2,0.9 93.2,4.6 98.4,9.8 98.4,44.5 98,44.9 91.4,44.9 89.7,43.2 88.7,43.2 87.8,44.1 87.8,45.8
VCC_3.3V on TOP: 16.4,21.7 16.4,14.6 16.7,14.3 18.5,14.3 18.5,21.3 18.1,21.7
VCC_3.3V on TOP: 93.7,80.5 97.7,80.5 98,80.2 98,76.6 97.9,76.5 95.3,76.5 93.7,78.1
VCC_3.3V on TOP: 47.5,90.7 47.5,93.4 48,93.9 61.4,93.9 61.7,93.6 61.7,91.2 61.3,90.8 57.2,90.8 56.8,91.2 52.3,91.2 51.8,90.7
VCC_3.3V on BOTTOM: 56.9,93.9 60.1,93.9 60.5,93.5 60.5,66.5 61.9,65.1 94,65.1 94.5,65.6 94.5,79.8 94.7,80 97.5,80 97.7,79.8 97.7,63.4 96.1,61.8 46.2,61.8 45.5,61.1 45.5,50.2 46.5,49.2 57.9,49.2 58.7,48.4 58.7,37.9 59.3,37.3 62.2,37.3 62.5,37 62.5,35.4 62,34.9 57.3,34.9 56.7,35.5 56.7,45.4 56,46.1 44.2,46.1 43,47.3 43,61 42.2,61.8 21,61.8 20.1,60.9 20.1,14.9 19.6,14.4 16.5,14.4 16.1,14.8 16.1,64.3 17.2,65.4 55.2,65.4 56.6,66.8 56.6,93.6
VCC_3.3V_PHY2 on BOTTOM: 62.9,40.6 75.2,40.6 75.6,40.2 75.6,31.5 75.3,31.2 74.7,31.2 74.3,31.6 74.3,38.9 73.8,39.4 62,39.4 61.2,40.2 61.2,44.9 61.4,45.1 62.2,45.1 62.4,44.9 62.4,41.1
VCC_3.3V_WIFI on TOP: 85.6,84.2 96.3,84.2 96.5,84 96.5,81.8 96.2,81.5 86.1,81.5 85.6,82
VCC_3.3V_WIFI on BOTTOM: 90.5,83.9 86.4,83.9 84.6,82.1 66.8,82.1 66.3,81.6 66.3,79.2 66.6,78.9 75.3,78.9 76,78.2 76,71.4 76.6,70.8 85.1,70.8 85.7,71.4 85.7,78.3 86.3,78.9 89.1,78.9 90.8,80.6 90.8,83.6
VCC_5V on TOP: 29.4,90.8 29.4,93.6 29.7,93.9 45.7,93.9 46.1,93.5 46.1,84.3 46.5,83.9 50.7,83.9 51,84.2 51,85.4 51.2,85.6 54.8,85.6 54.9,85.5 54.9,82.9 54.2,82.2 44.9,82.2 43.8,83.3 43.8,90 42.4,91.4 34.7,91.4 34.1,90.8
VCC_5V on BOTTOM: 14,35.8 14.7,36.5 14.7,66 15.6,66.9 45.1,66.9 46.1,67.9 46.1,93.1 45.7,93.5 44.1,93.5 43.8,93.2 43.8,69.5 43.3,69 10,69 9.1,68.1 9.1,36.6 9.9,35.8
VCC_12V on TOP: 23.3,84.2 32.6,84.2 33.1,84.7 33.1,85.5 36.9,85.5 36.9,84.2 37.2,83.9 37.2,82.9 36.9,82.6 25.8,82.6 24.7,81.5 23.1,81.5 23.1,84
USB_OTG1_VBUS on TOP: 8.8,9.3 9.6,10.1 11.1,10.1 11.7,9.5 11.7,4.8 11.9,4.6 12.9,4.6 12.9,9.7 11.3,11.3 11.3,12.2 11.1,12.4 6.7,12.4 6,11.7 6,9.3
N17453450 on TOP: 36.8,85.9 29.7,85.9 29.4,86.2 29.4,88.4 33.7,88.4 33.7,87.4 34.5,86.6 36.8,86.6 36.9,86.5 36.9,86
N17453479 on TOP: 54.8,85.7 48,85.7 47.6,86.1 47.6,88.4 51.8,88.4 51.9,88.3 51.9,87.4 52.9,86.4 54.7,86.4 54.8,86.3

## Text on the board
Ref Des/Silkscreen Top: 5V | 3V3 | 32.768KHz | ONOFF | RST | USER | 12V | GND | 6UL_WIFI_V10A | 20200527 | TX | RX
DEVICE_TYPE_TOP: SCALE: NONE | Layers | Single Ended | Differential | If the angle of PCB board outline is circular,please use this kind of break out area | If not use it,please delete it before you gerber out | If the angle of PCB board outline is right angle,please use this kind of break out area | AS usual,please use the 0.8MM stamp Via | L1 | L4 | 5.00 | 50 | 4.2 | 6.00 | 100 | 4.70 | 90 | Trace Width | (Mils) | Impedance | (Ohms) | Trace Spacing | "Airgap" | A_TARGET:1.53 mm | ___ PUBI (PUBLIC INFORMATION) | ___ FIUO (HY INTERNAL USE ONLY) | ___ FCP (HY CONFIDENTIAL PROPRIETARY) | THIS DOCUMENT CONTAINS INFORMATION | PROPRIETARY TO FREESCALE AND SHALL | NOT BE USED FOR ENGINEERING DESIGN | PROCUREMENT OR MANUFACTURE IN WHOLE | OR IN PART WITHOUT THE CONSENT OF | NXP. | 1. THIS DRAWING SPECIFIES THE REQUIREMENTS FOR A | 2. THE PWB MUST BE LEAD FREE ASSEMBLY PROCESS COMPATIBLE AND MUST BE ABLE TO HANDLE | 3. BASE MATERIAL - LAMINATE AND PREPREG SHALL MEET IPC-4101B-26, 83 or 98 | Tg - MUST BE GREATER THAN OR EQUAL TO 150 DEGREES CELSIUS. | Td - MUST BE GREATER THAN OR EQUAL TO 330 DEGREES CELSIUS. | 4. COPPER FOIL WEIGHT - SEE STACKUP DETAIL 'A' | 5. CHARACTERISTIC IMPEDANCE - SEE DETAIL 'B' | 6. MINIMUM CONDUCTIVE WIDTH/SPACING TO BE .00X"/.00X" | 7. PLATING FINISH - BOTH SIDES ENIG (ELECTROLESS NICKEL IMMERSION GOLD): | 8. ALL THROUGH HOLE VIAS MAY BE PLATED SHUT. | - MUST BE UL RECOGNIZED AND MUST HAVE AN ID THAT CONFORMS TO UL94V-0 | 9. SOLDERMASK - GREEN COLOR (TAIYO OR EQUIVALENT), BOTH SIDES. | 10. SILKSCREEN - WHITE EPOXY INK, BOTH SIDES.  NO SILK ON PADS. | 11. ELECTRICAL TEST - 100% IPCD356. | 12. PRINTED WIRING BOARD IS TO BE INDIVIDUALLY BAGGED. | 13. DRC'S MUST BE RUN ON THE GERBER BEFORE BUILDING BOARDS, | UNLESS PRIOR APPROVAL IS GIVEN IN WRITING BY FREESCALE. | 14. ADD TEARDROPS TO ALL SIGNAL LAYERS. | 15. SOLDER SAMPLES TO BE PROVIDED. | 16. BASIC GRID INCREMENT AT 1:1 IS .0001. | 17. SUPPLIER MARKINGS - ON SOLDER SIDE ONLY, WHERE SHOWN. | MODIFICATION OF SOLDERMASK IS NOT ALLOWED WITHOUT WRITTEN PERMISSION FROM FREESCALE. | WITH SPECIFICATION IPC-A-600 CLASS 2 (LATEST REVISION). | A MINIMUM OF 5 CYCLES AT 260 DEGREES CELSIUS FOR 10 SECONDS. | 18. THE PWB WILL BE MARKED AS LEAD FREE BY USE OF AN INK STAMP Pb | 19. THE PWB WILL BE MARKED AS LEAD FREE PROCESS COMPATIBLE BY USE OF AN INK STAMP 260 C | 21. FINISHED PCB MUST BE PANELIZED FOR ASSEMBLY ACCORDING TO CONTRACT MANUFACTURING REQUIREMENT. | ADDITION OF .25" RAILS AND .125" NON-PLATED TOOLING HOLES ARE AT THE DISCRETION | OF CONTRACT MANUFACTURER AND FAB HOUSE. | PANELIZATION MUST BE APPROVED BY FREESCALE. | 2.540-6.350 MICRON (100-250 MICROINCH) OF NICKEL. | .05080-.232 MICRON (2-8 MICROINCH) OF GOLD OVER | PRINTED WIRING BOARD IN ACCORDANCE | 20. ALL PLATED AND NON-PLATED THROUGH HOLES ARE TO BE DRILLED AT PRIMARY DRILL STEP. | ALL HOLE LOCATION TOLERANCES ARE TO BE +/-.002 IN REFERENCE TO THE PRIMARY DATUM. | X | XXXLZJXXX | V10A | 19_11_08 | 19-11-08 | JLC:  1.6mm THK +/- 10% | LAYER 1  TOP SIDE          1oz+plating | LAYER 2  BOTTOM SIDE       1oz+plating | FINISHED Cu WEIGHT | NO-***** | 1/1 | CAD-***** | 1 | DETAIL A | LAYER STACKUP | DETAIL B | IMPEDANCE REQUIREMENTS | IMPEDANCE TOLERANCE IS 10% | ZHZK_CURR_F767_V10A | FAB-***** | A2 | ZHZK
BODY_CENTER: FIGURE | FINISHED_SIZE | 0.3048 | 0.4 | 0.9 | 1.1 | 1.3 | 1.7 | 1.8 | 3.1 | 1.0x0.4 | 3.0x1.0 | DRILL CHART: TOP to BOTTOM | ALL UNITS ARE IN MILLIMETERS | ROTATION | - | 90.000 | 0.000 | PLATED | QTY | 462 | 5 | 24 | 4 | 2 | 1 | 515 | TOTAL HOLES:
